# Altium PCB DDR3.PcbDoc (part 1 of 6)
Units mm, origin at the board's own origin, x right, y up, seen from the top; angles counter-clockwise.
Board outline 67.6 x 30 mm, 8 copper layers (L1 Top, L2 GND, L3 Sig, L4 (PWR), L5 (PWR), L6 Sig, L7 GND, L8 Bot), stack 1.714 mm thick; 216 components, 253 nets, 1243 pads, 806 vias.
Unrouted connection lines stored in the file: 13.
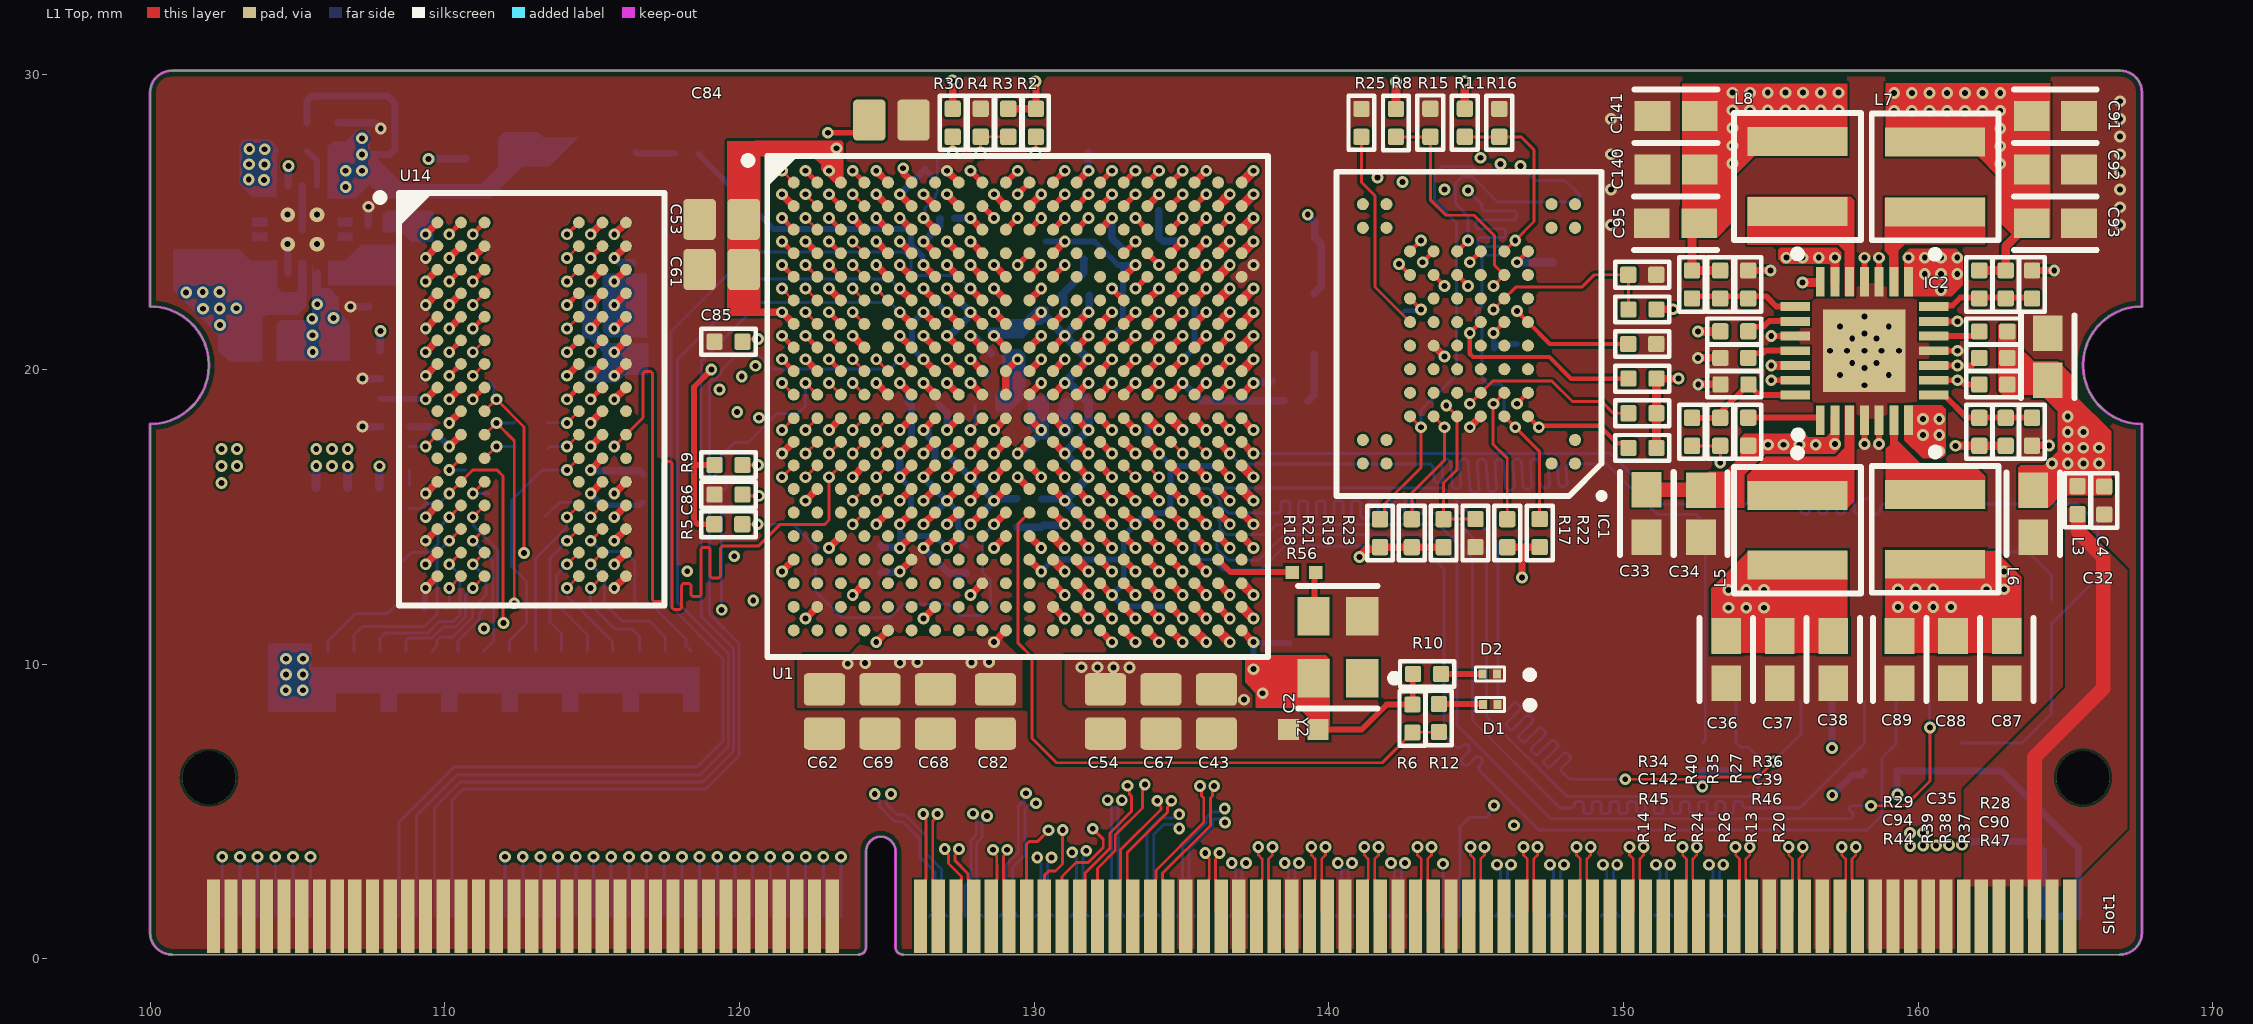
[diagram p0: L1 Top view]
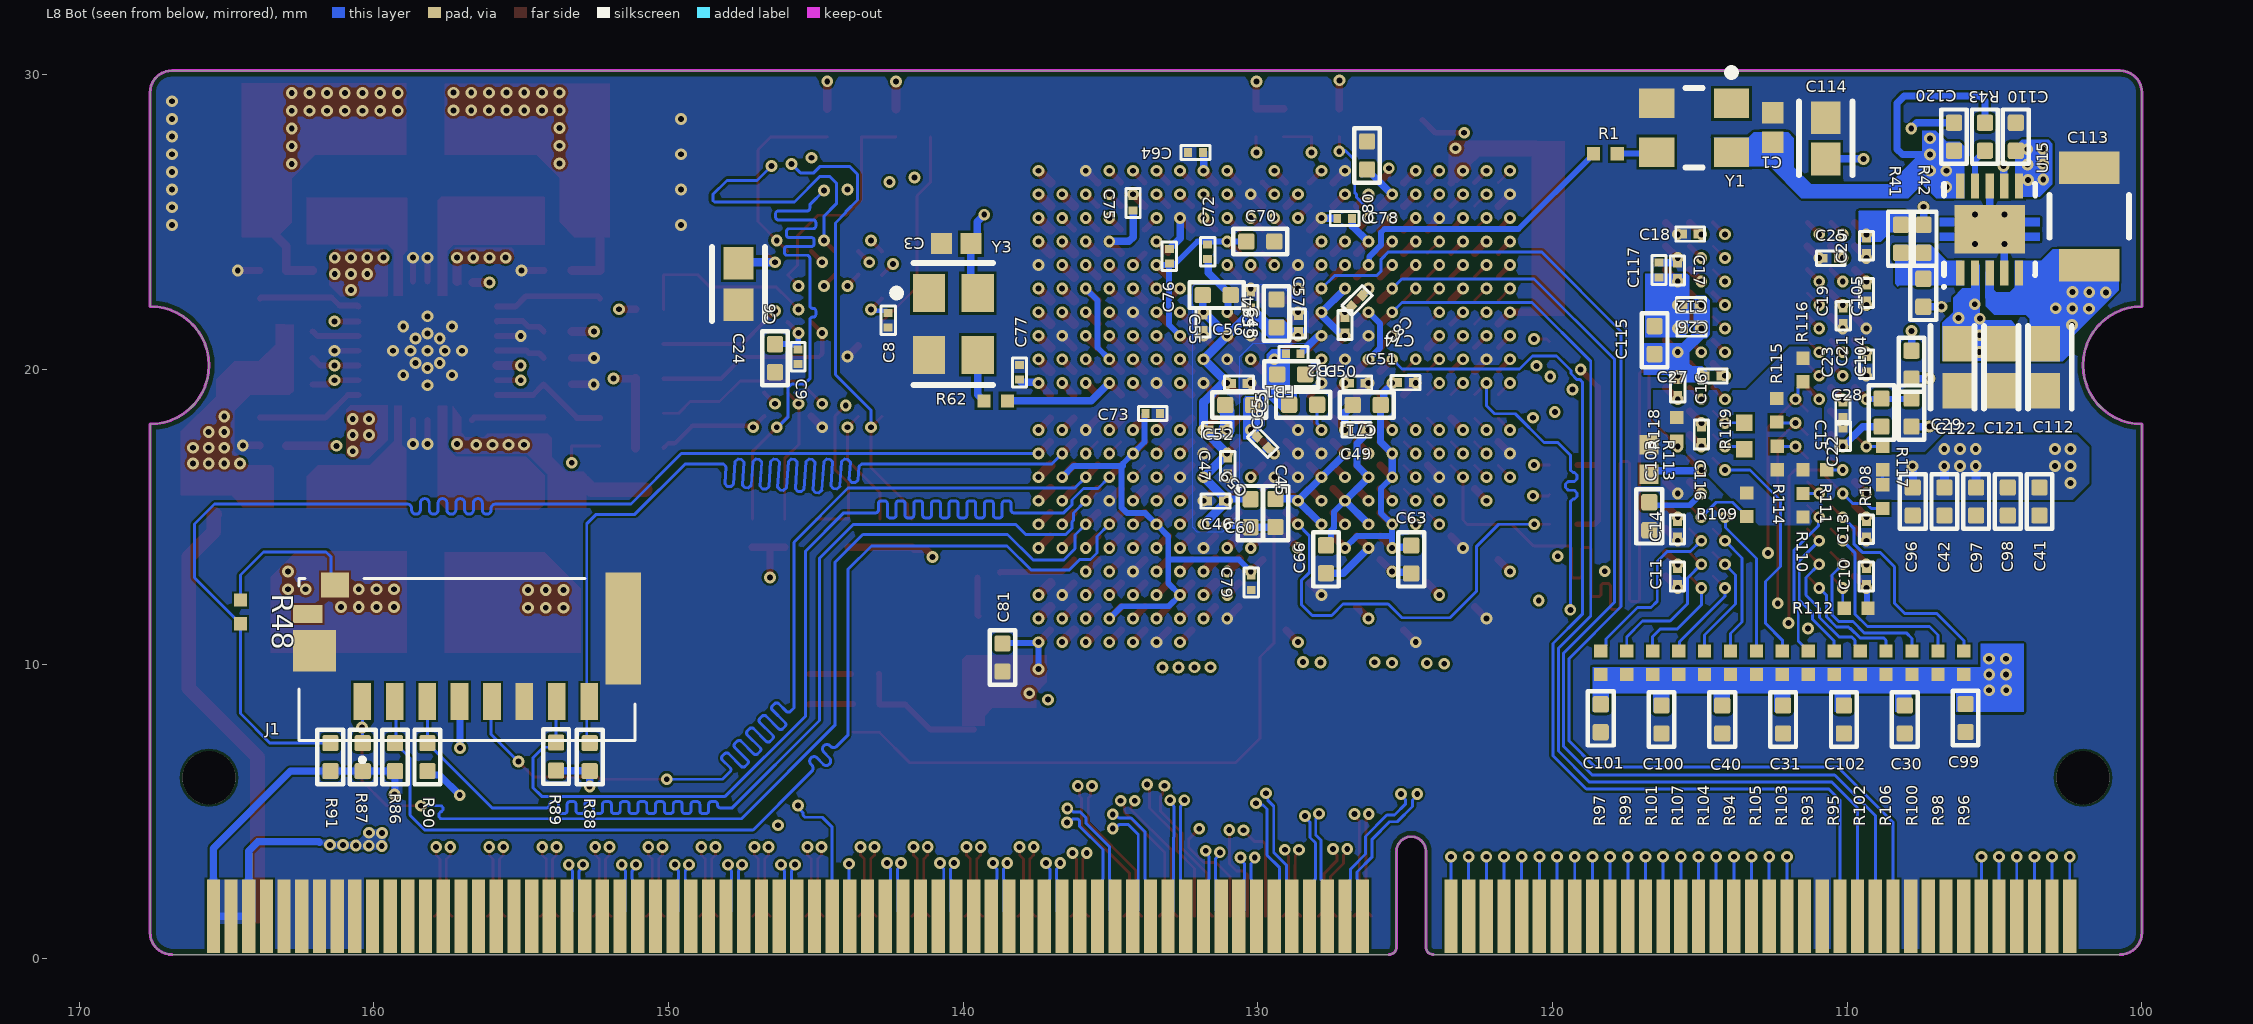
[diagram p1: L8 Bot view, seen from below]
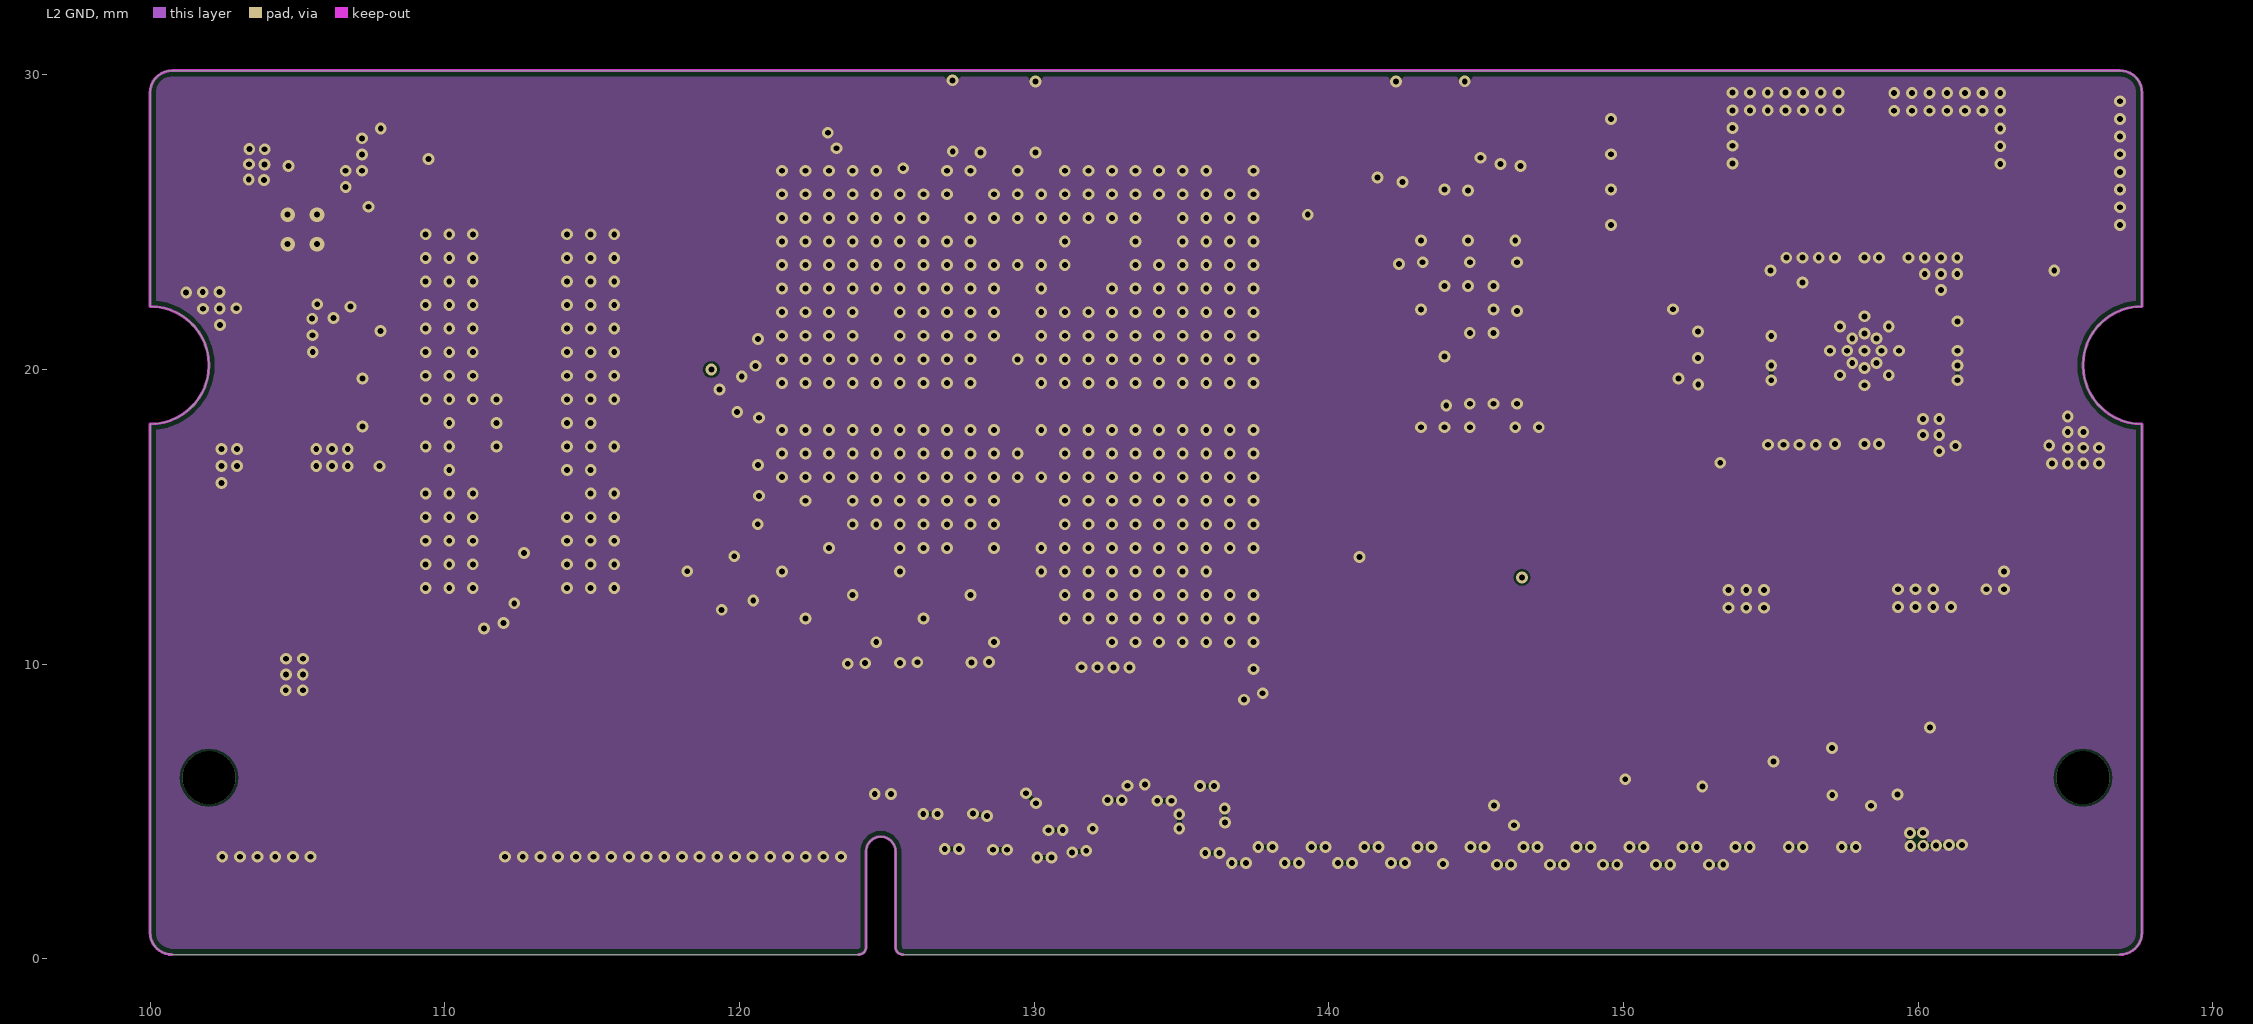
[diagram p2: L2 GND]
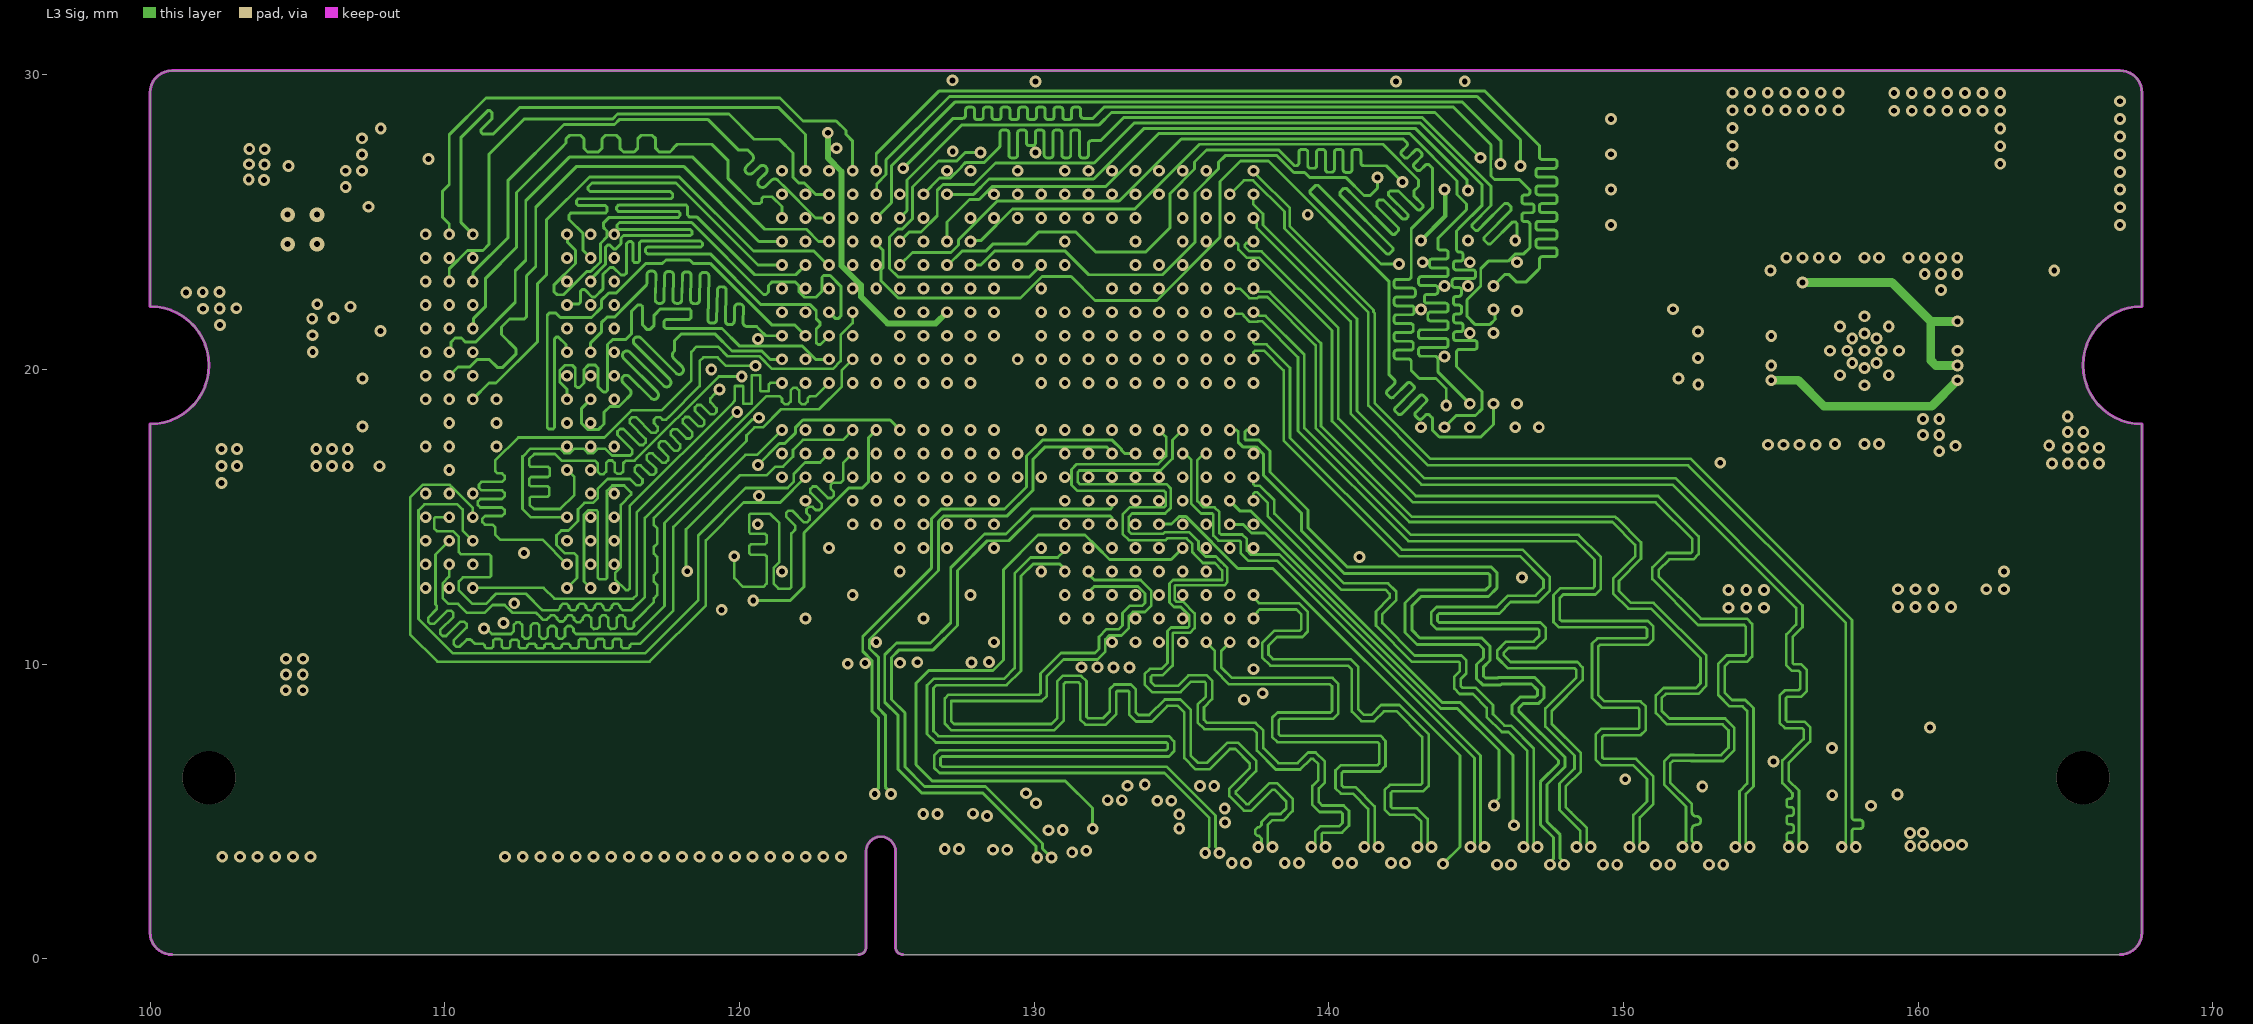
[diagram p3: L3 Sig]
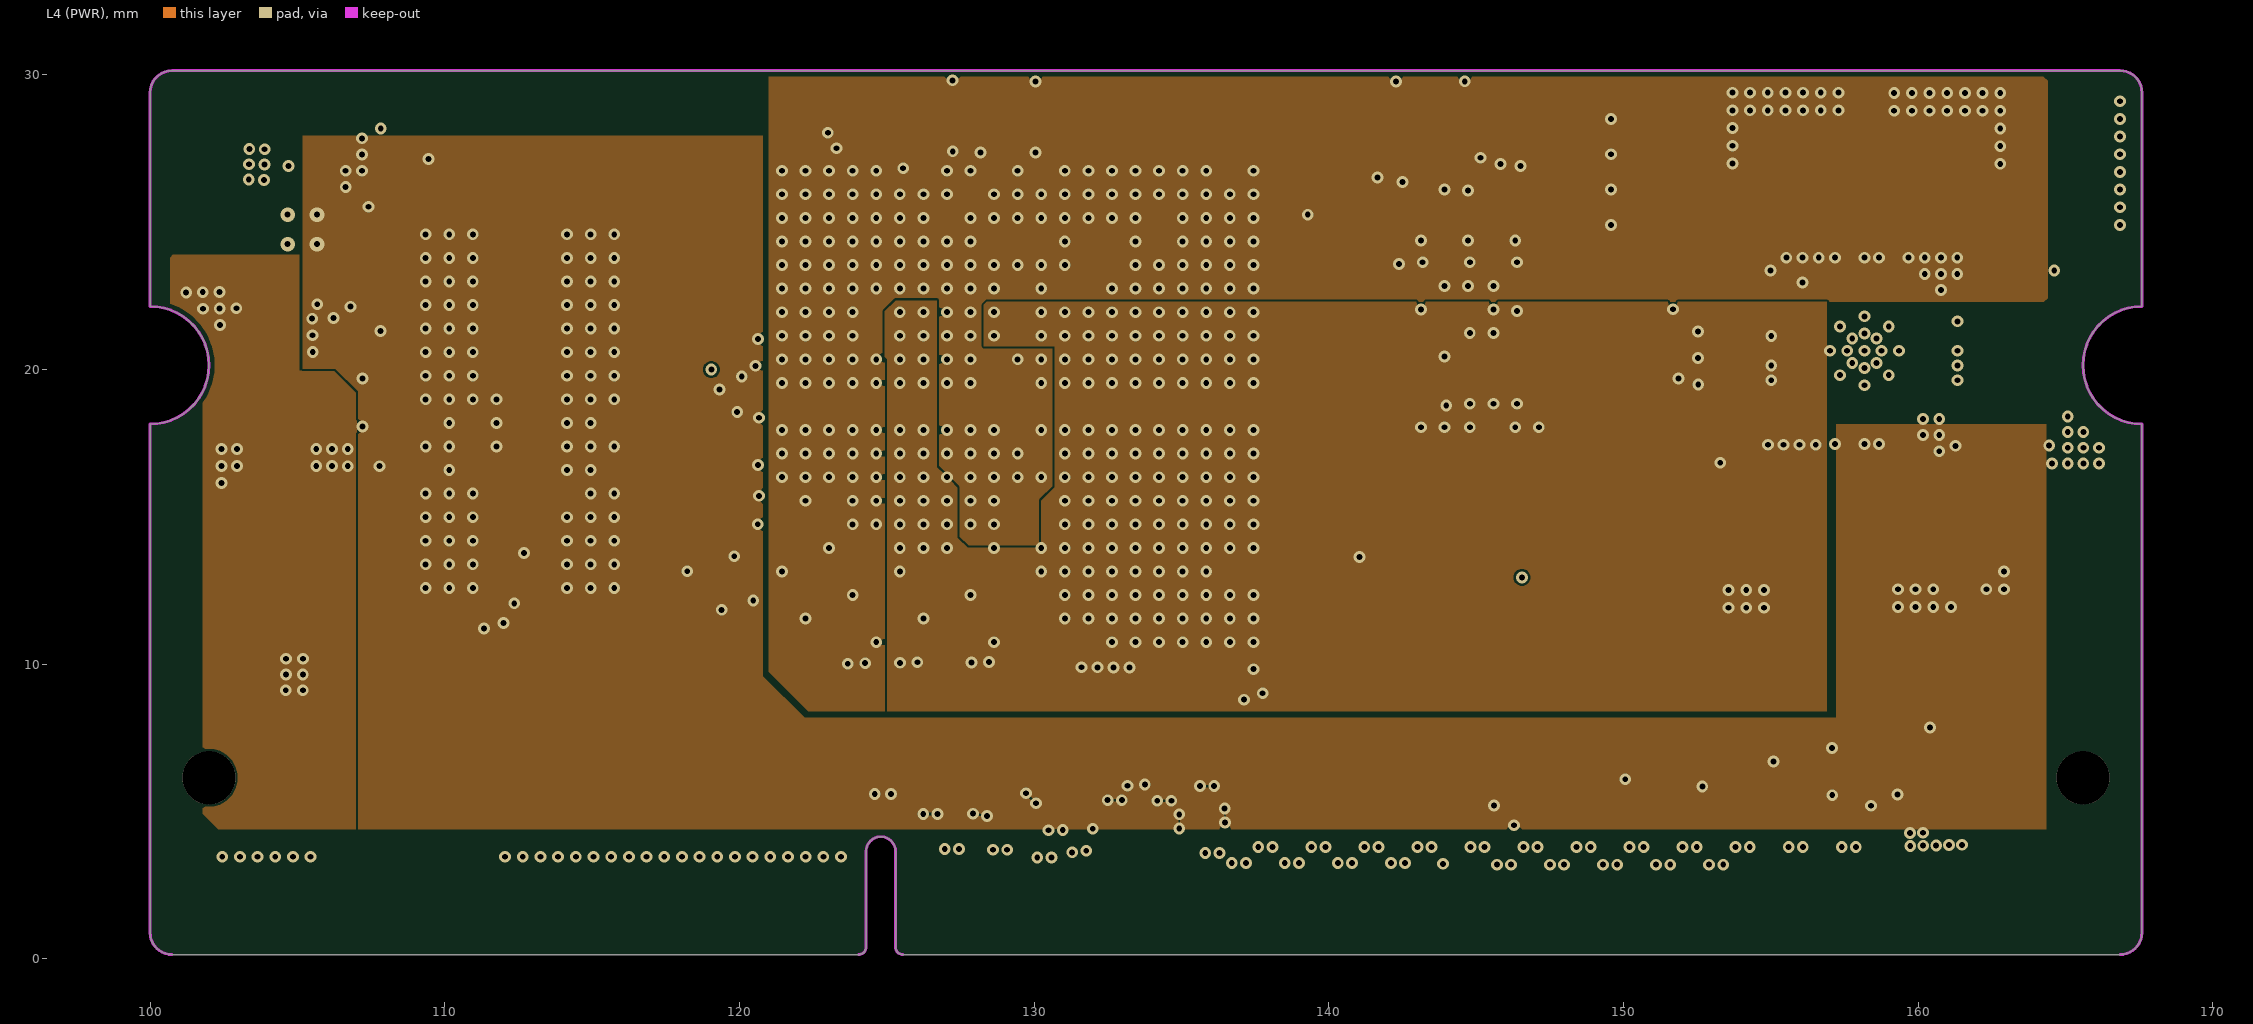
[diagram p4: L4 (PWR)]
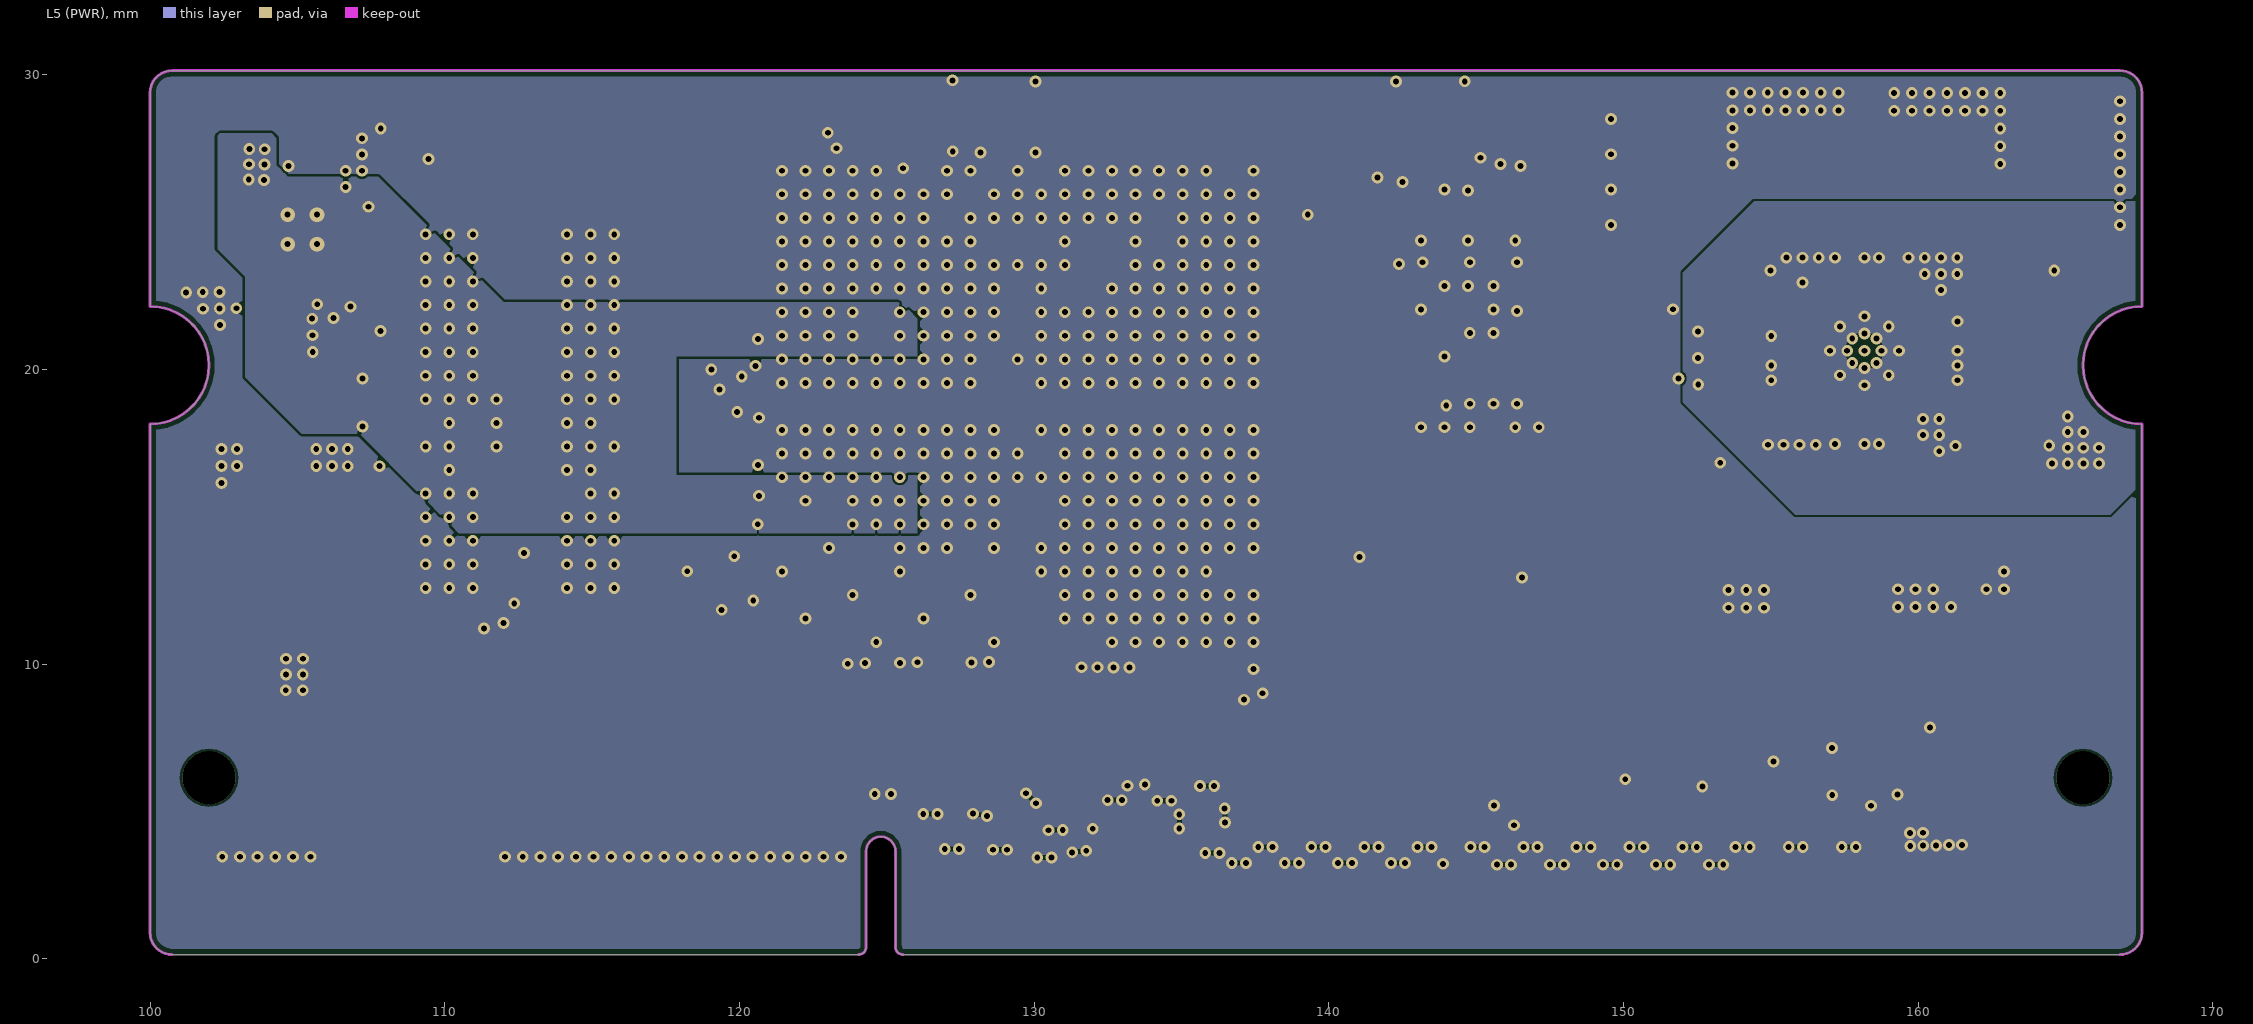
[diagram p5: L5 (PWR)]